# Altium PCB OBC-FPGA.PcbDoc (part 1 of 3)
Units mil, origin at the board's own origin, x right, y up, seen from the top; angles counter-clockwise.
Board outline 3775 x 3550 mil, 4 copper layers (Top Layer, Mid-Layer 2, Mid-Layer 3, Bottom Layer), stack 33.2 mil thick; 217 components, 167 nets, 957 pads, 748 vias.
Unrouted connection lines stored in the file: 2.
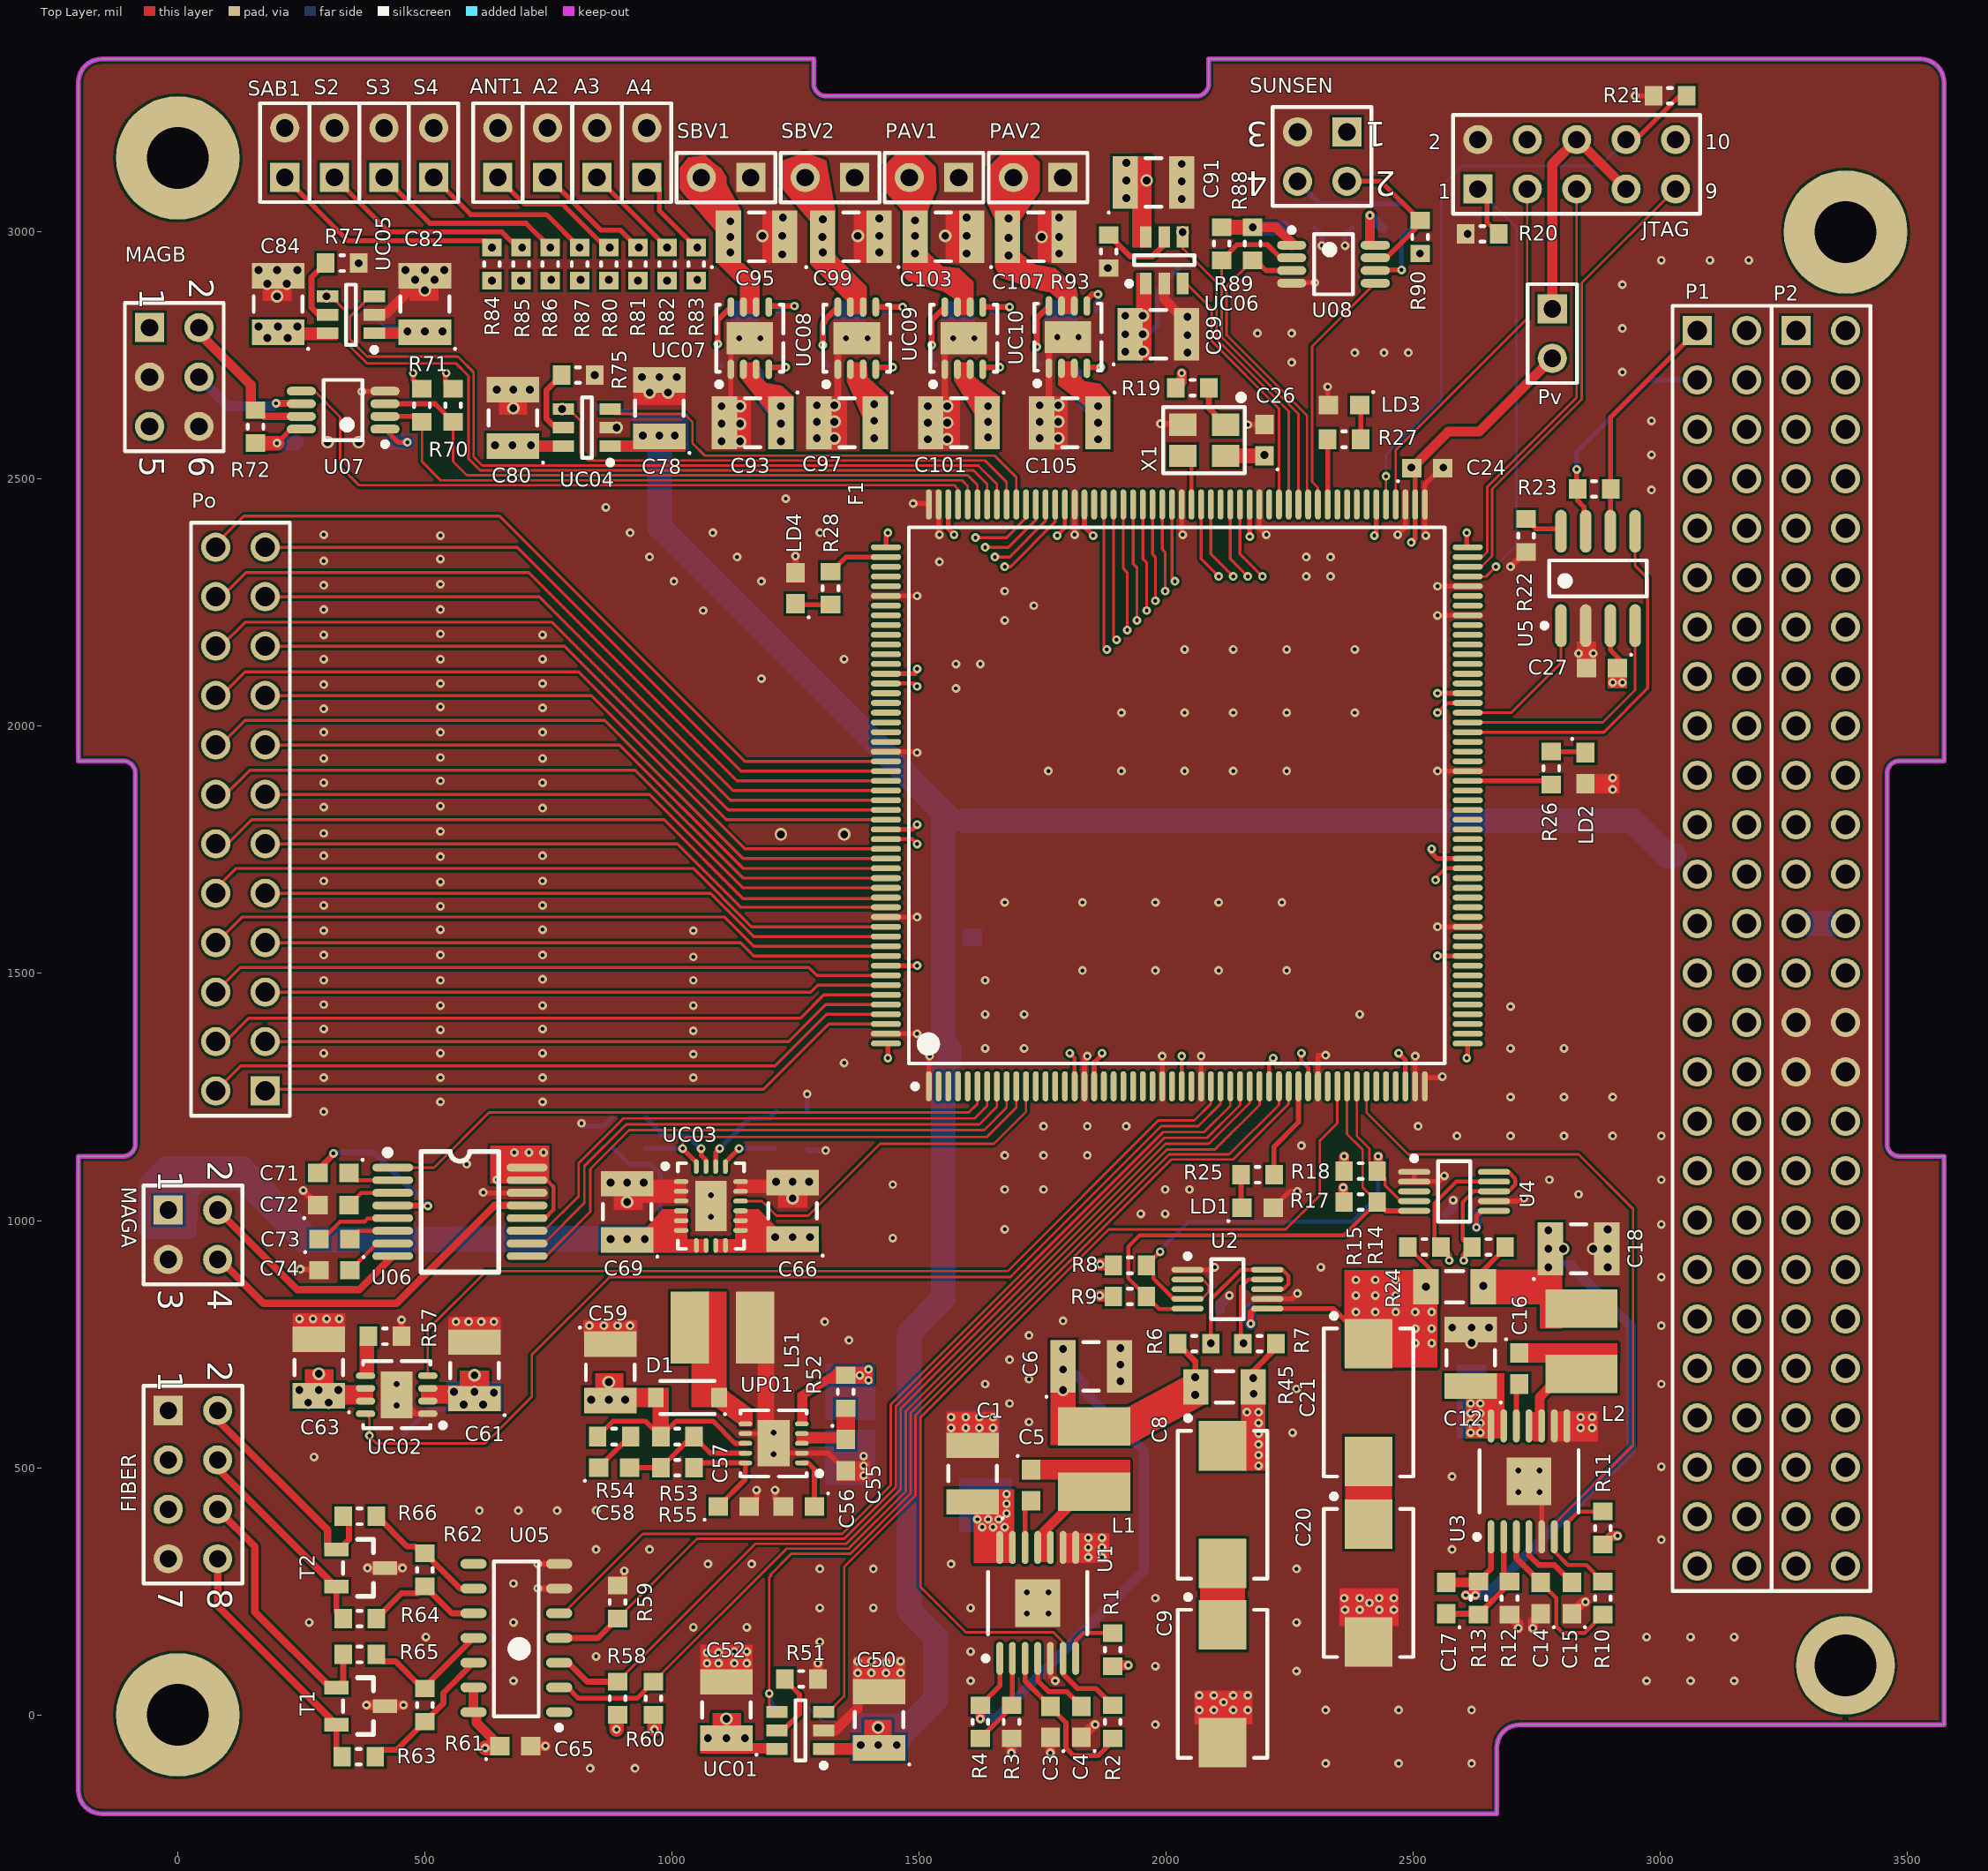
[diagram p0: Top Layer view]
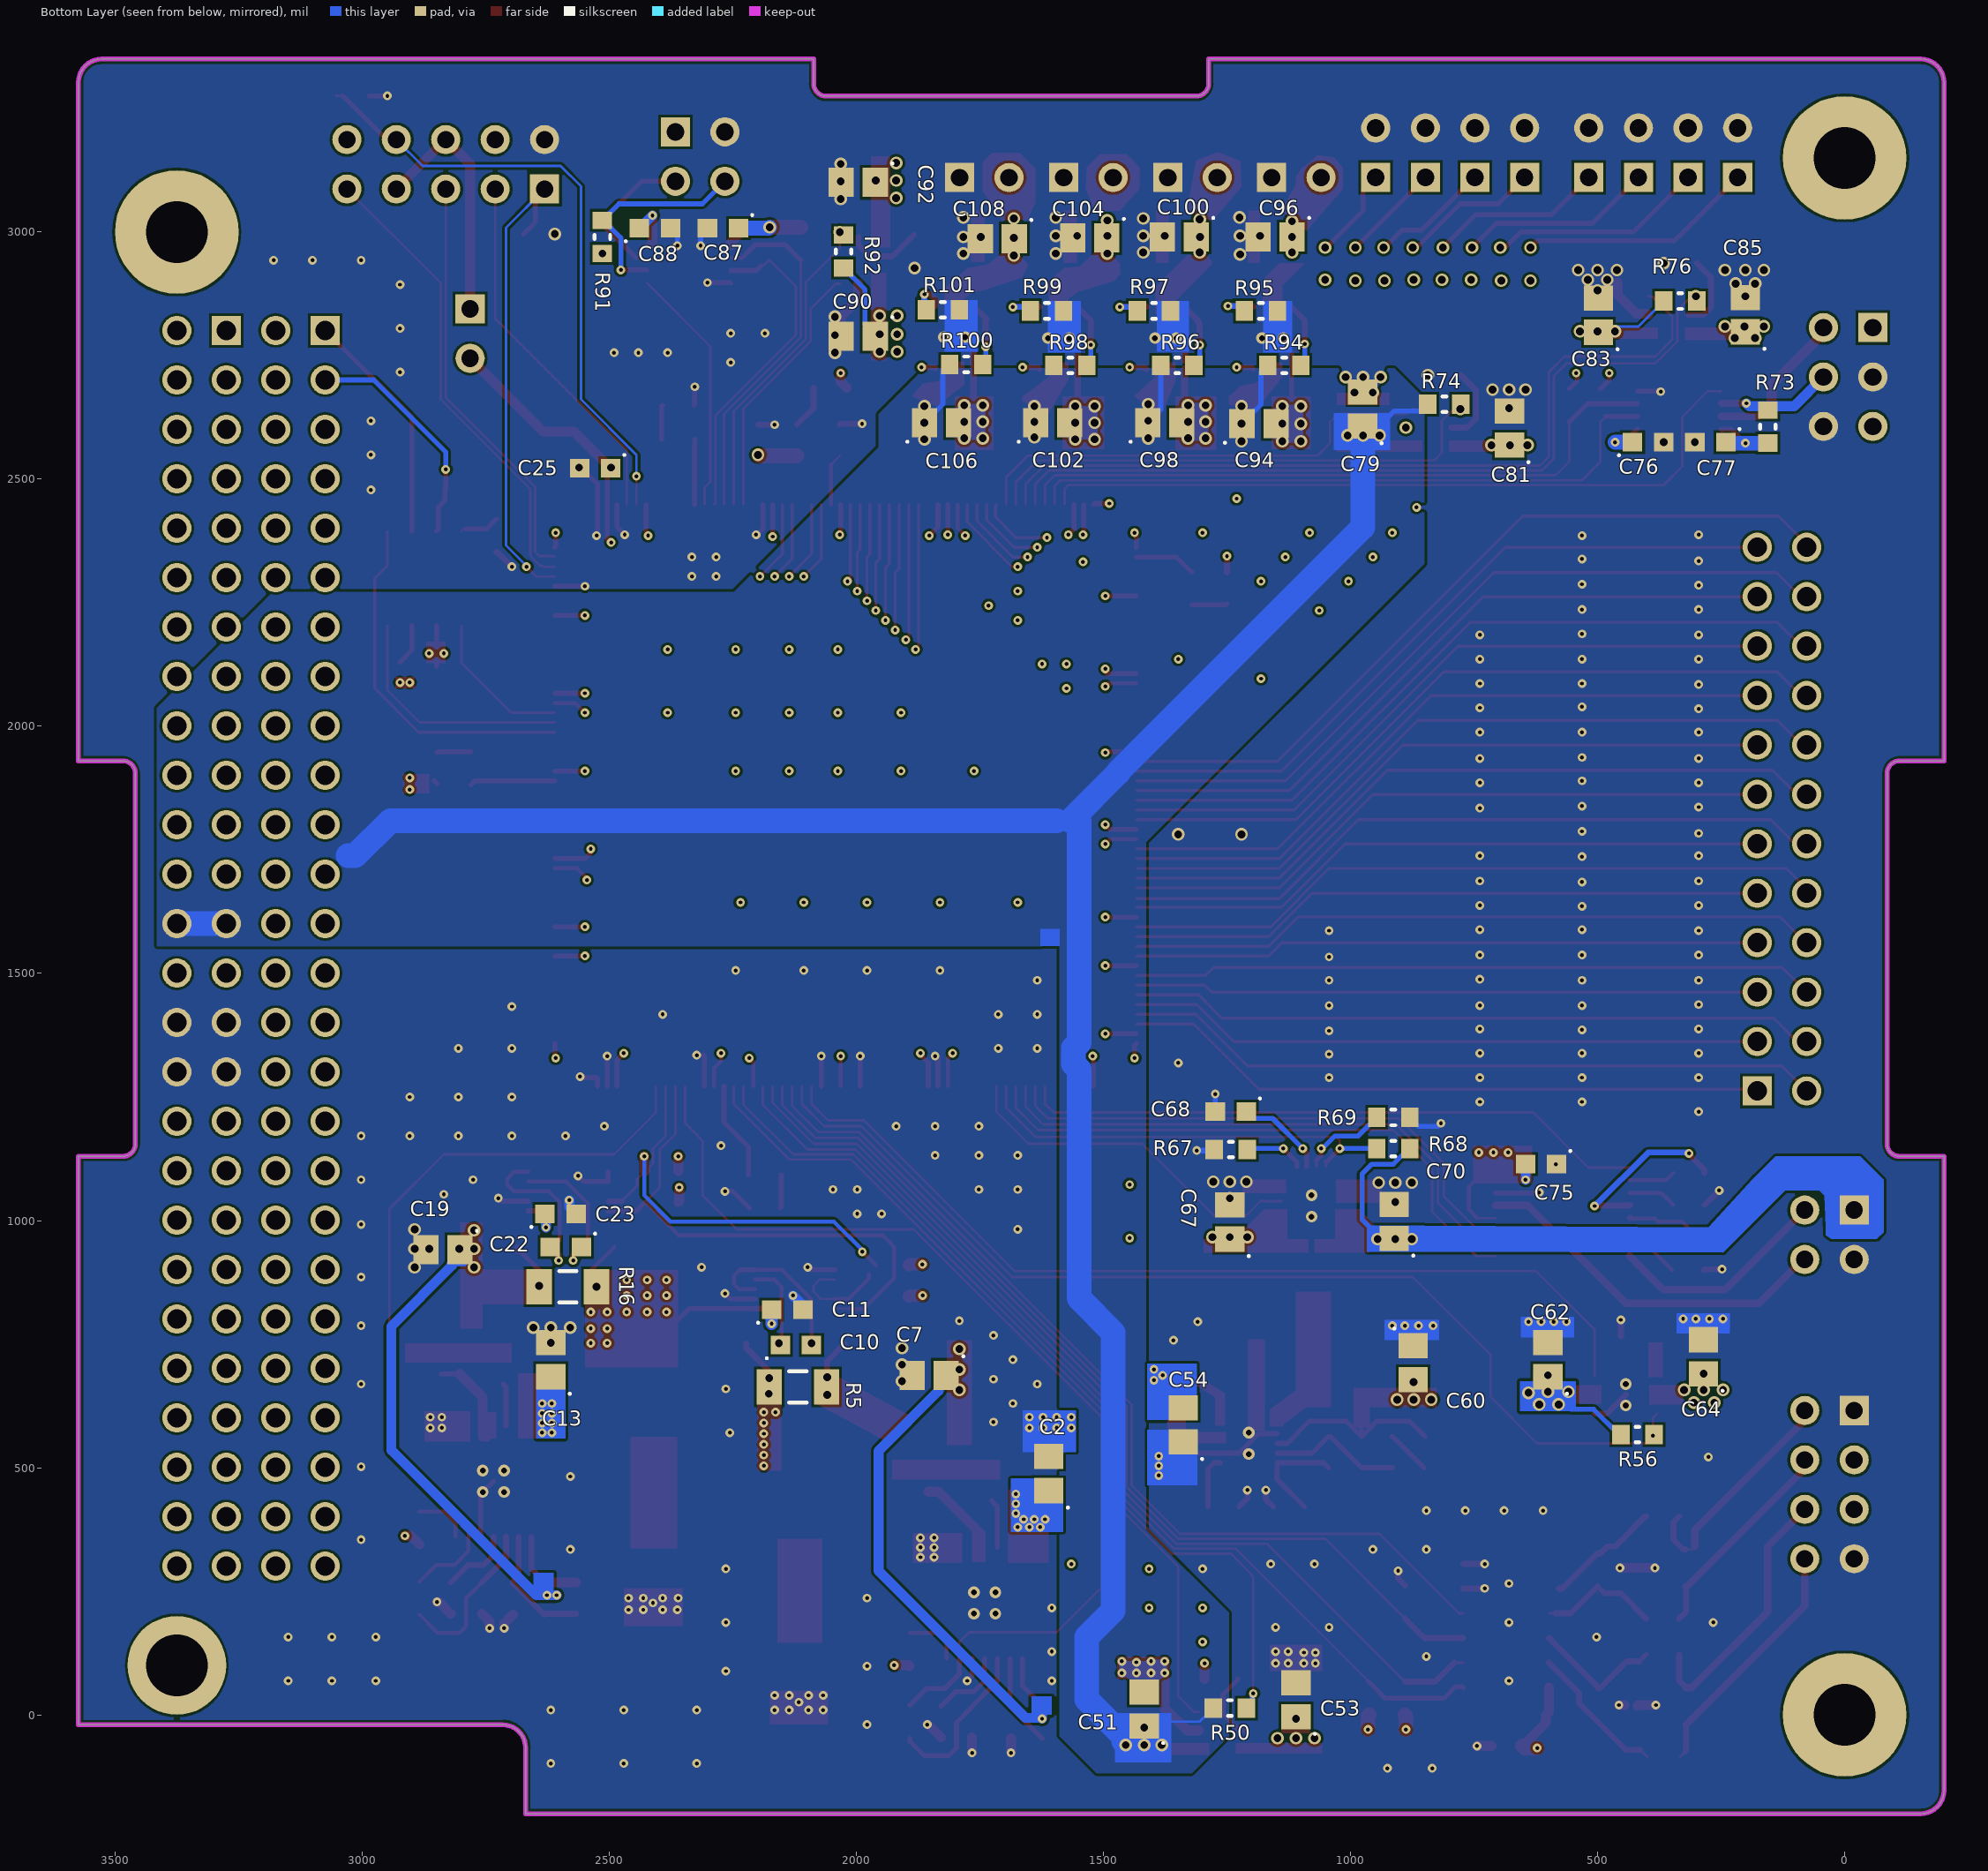
[diagram p1: Bottom Layer view, seen from below]
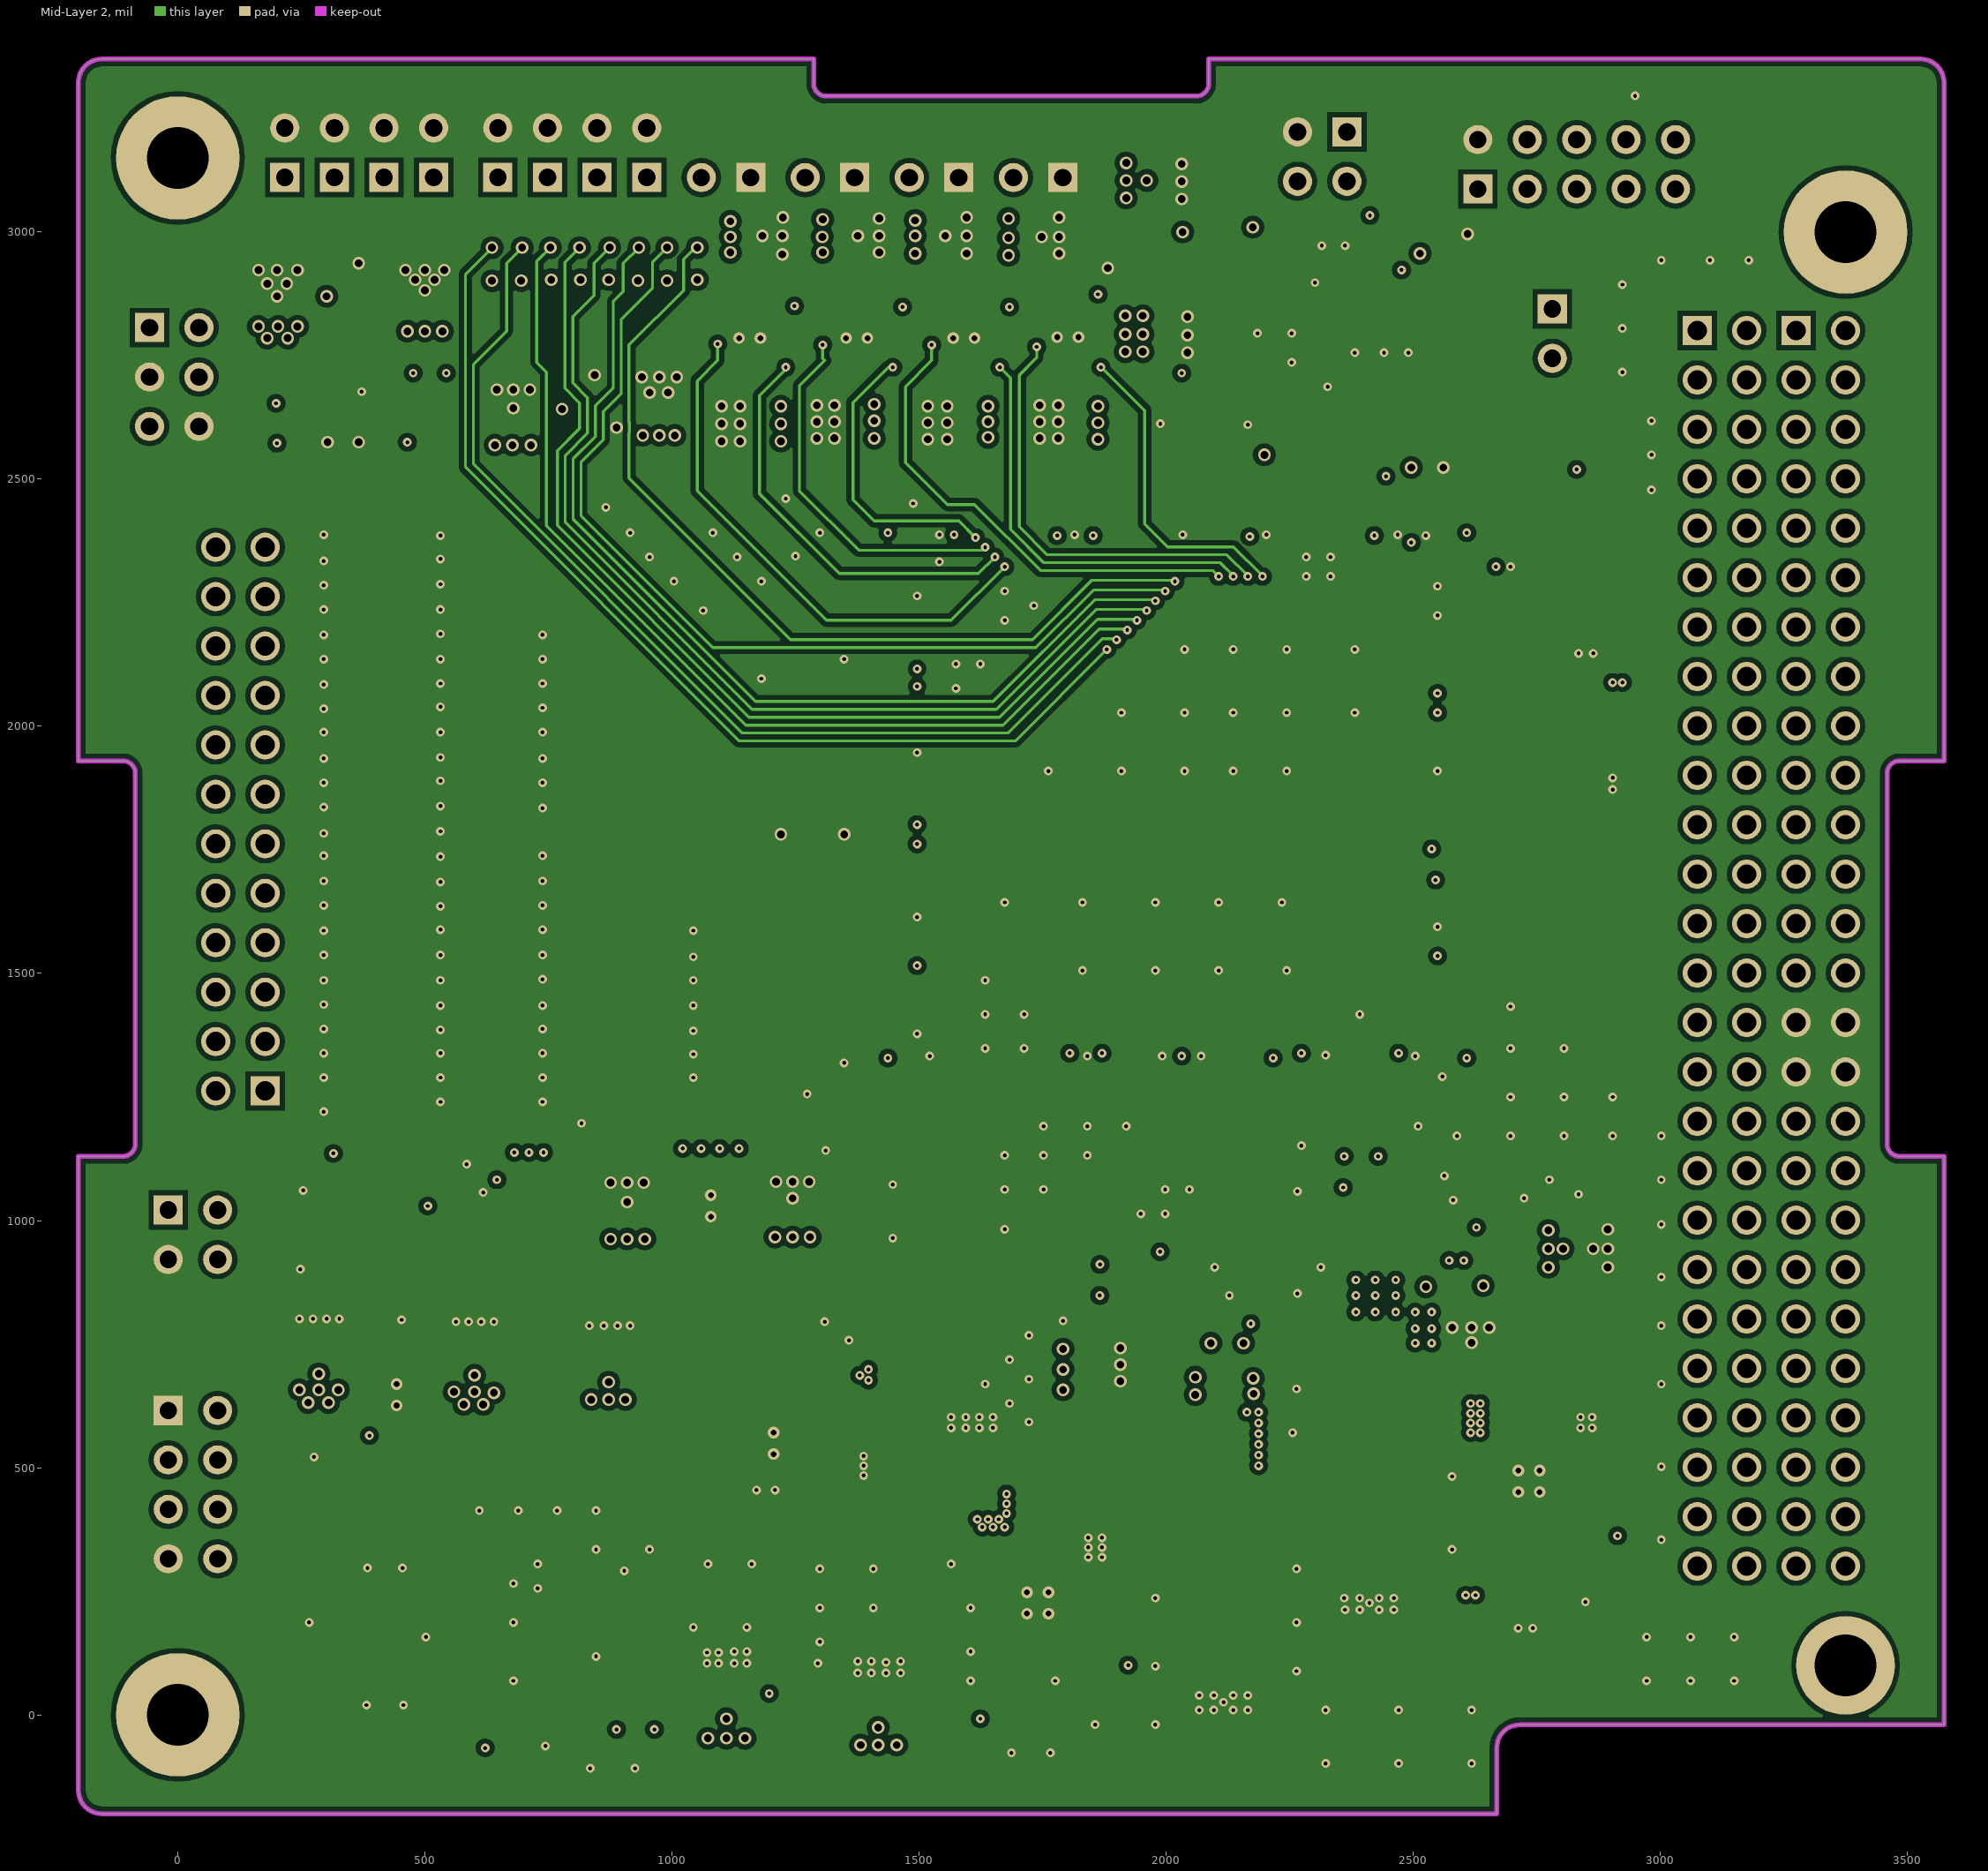
[diagram p2: Mid-Layer 2]
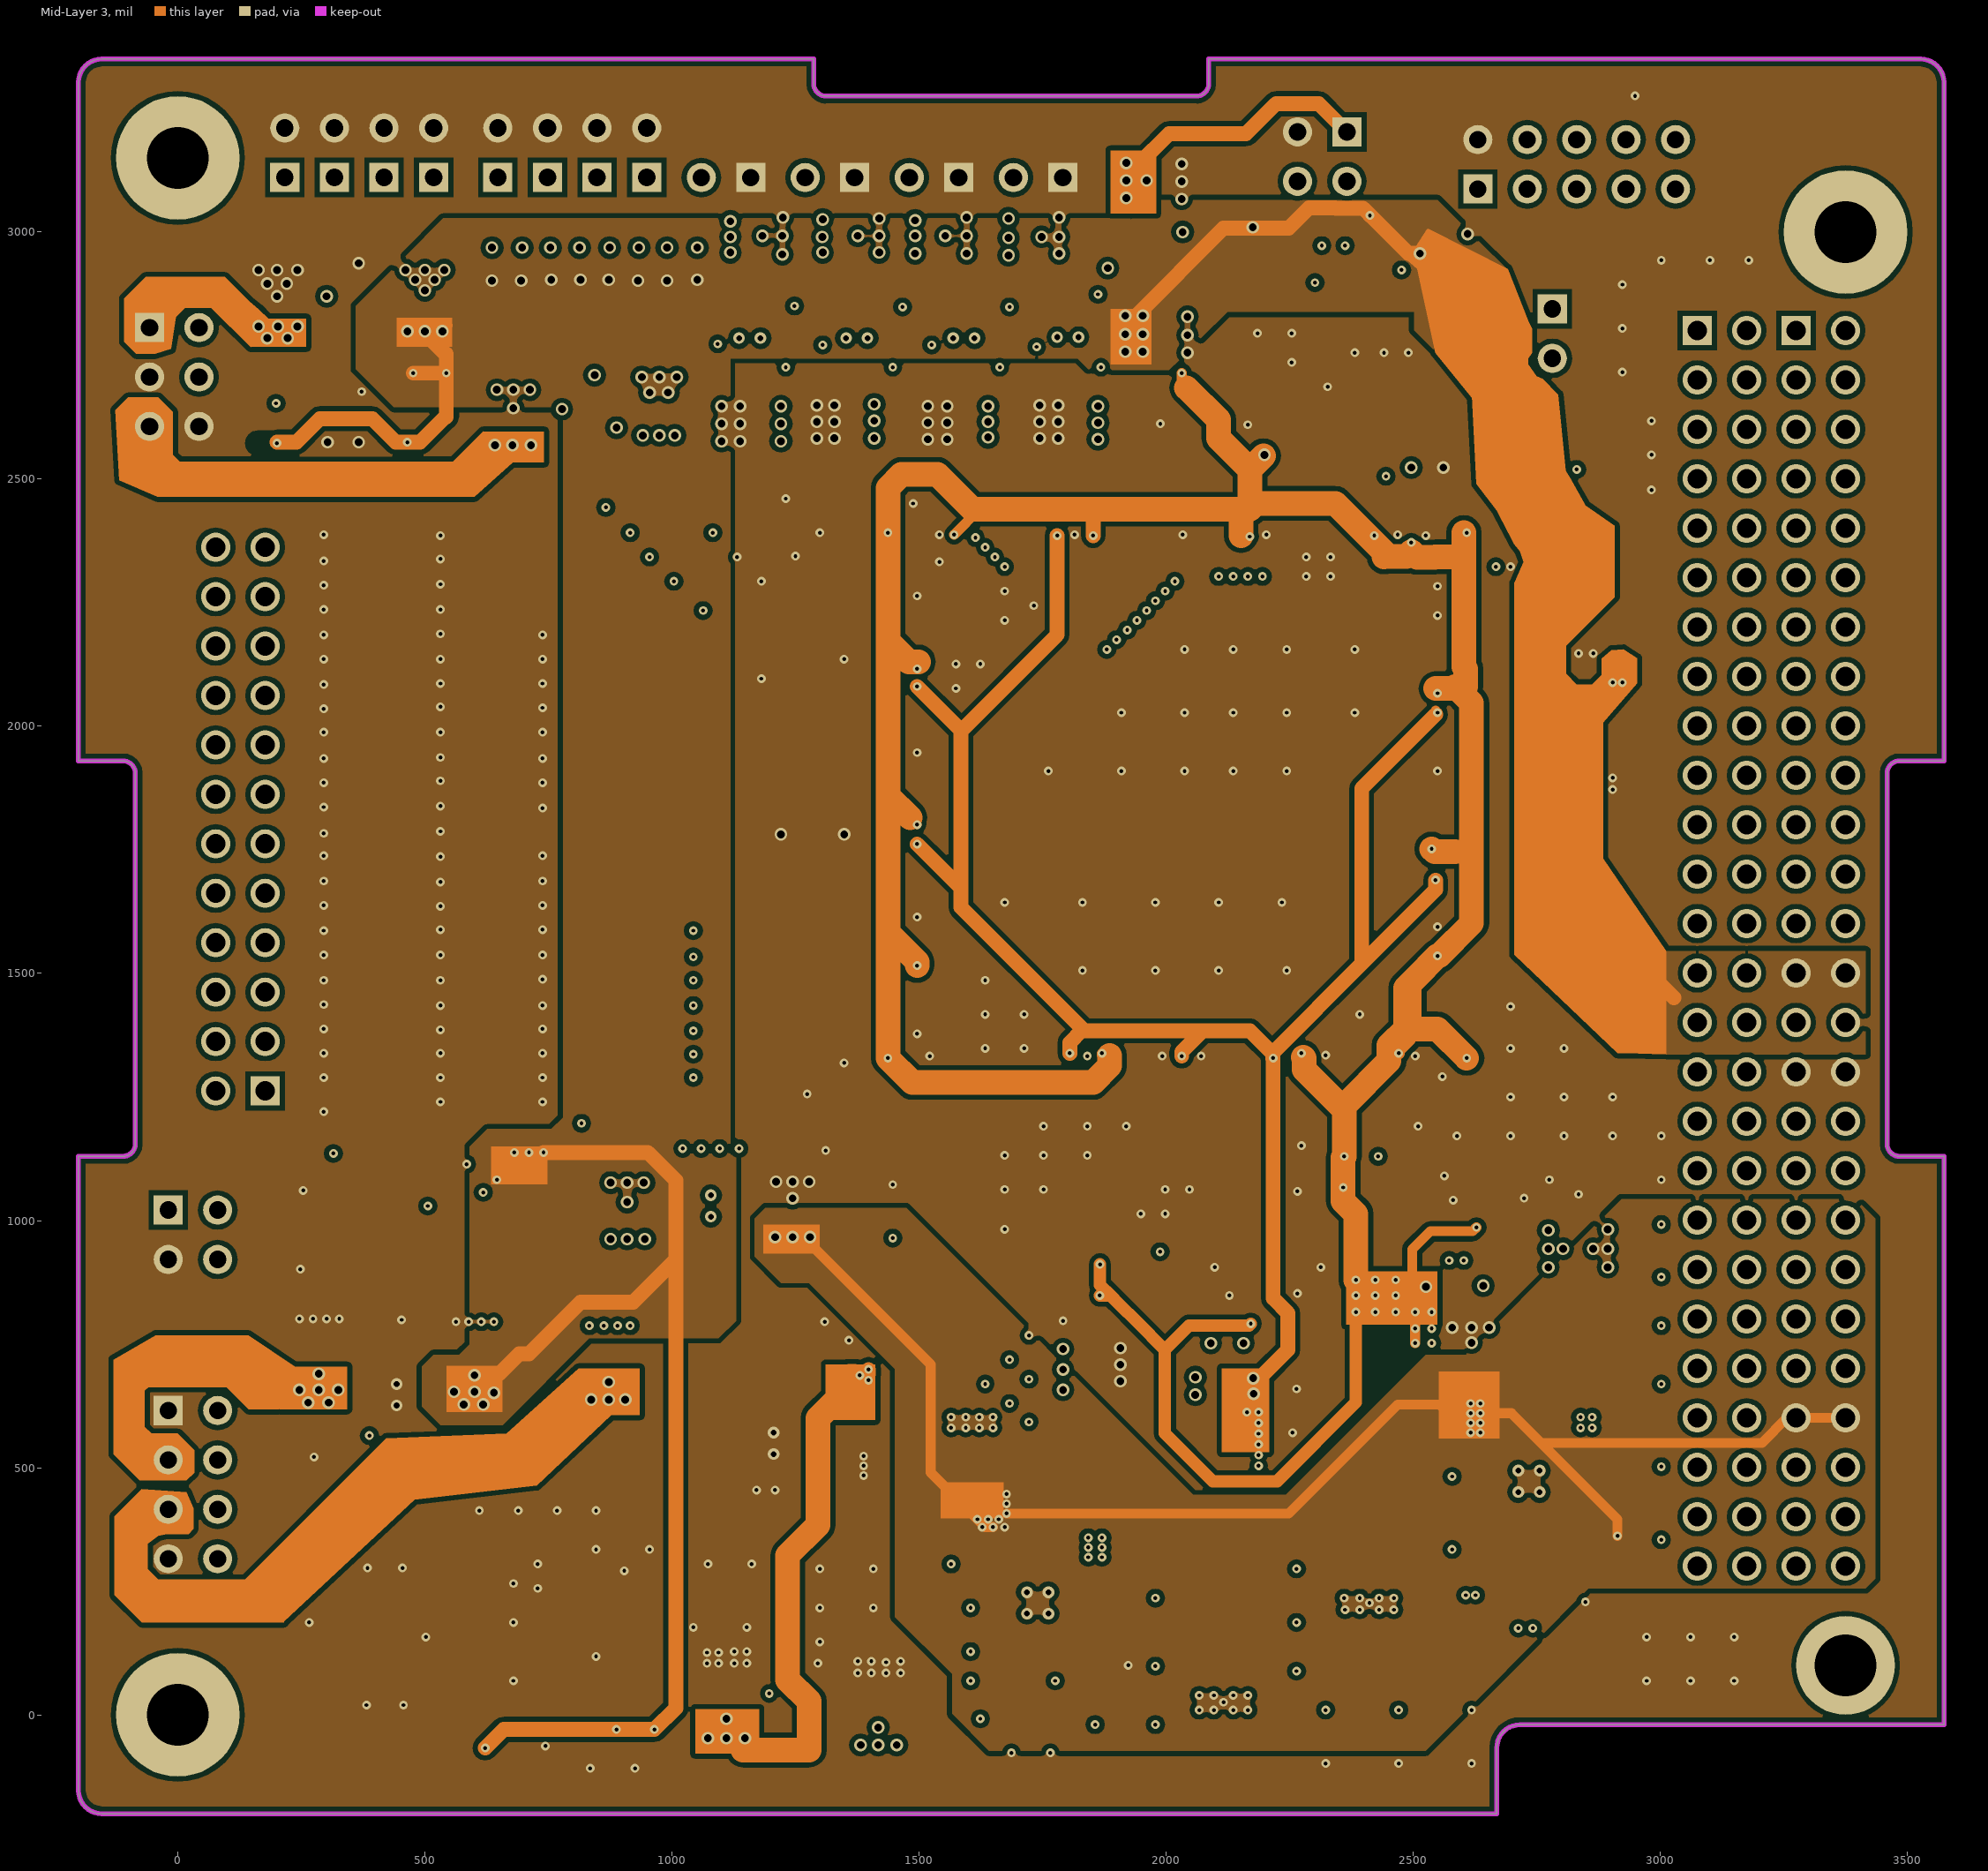
[diagram p3: Mid-Layer 3]

## Layer stack, top to bottom
Top Solder: solder mask 0.4, Solder Resist, Dk 3.5
Top Layer: signal copper 1.4
Dielectric1: core 12.6, FR-4, Dk 4.8
Mid-Layer 2: signal copper 1.4
Dielectric3: prepreg 5, FR-4, Dk 4.2
Mid-Layer 3: signal copper 1.4
Dielectric4: core 10, FR-4, Dk 4.2
Bottom Layer: signal copper 1.4
Bottom Solder: solder mask 0.4, Solder Resist, Dk 3.5

## Board outline
-201,-153 -201,1130 -111,1130 ccw(c-111,1155) -86,1155 -86,1905 ccw(c-111,1905) -111,1930 -201,1930 -201,3303 cw(c-154,3303) -154,3350 1287,3350 1287,3300 ccw(c1312,3300) 1312,3275 2061,3275 ccw(c2061,3300) 2086,3300 2086,3350 3527,3350 cw(c3527,3303) 3574,3303 3574,1930 3484,1930 ccw(c3484,1905) 3459,1905 3459,1155 ccw(c3484,1155) 3484,1130 3574,1130 3574,-20 2716,-20 ccw(c2716,-67) 2669,-67 2669,-200 -154,-200 cw(c-154,-153)

## Design rules (kind name [scope] priority, off if disabled: settings)
Clearance Clearance_MidLayer [OnLayer('Mid-Layer 1') OR OnLayer('Mid-Layer 2') OR OnLayer('Mid-Layer 3') OR OnLayer('Mid-Layer 4')] p1: gap=10 ignorepadtopadclearanceinfootprint=FALSE except(0: Arc-Hole Track-Hole SMDPad-Hole THPad-Hole Via-Hole Fill-Hole Poly-Hole Region-Hole Text-Hole)
Clearance [All] p2: gap=5 ignorepadtopadclearanceinfootprint=FALSE
ComponentClearance [All] p1 off: gap=5 collisioncheckmode=3 verticalgap=5 showdistances=FALSE
FabricationTestPointUsage TestPointUsage [All] p1: valid=0 allowmultiple=FALSE
FabricationTestpoint Testpoint [All] p1: side=3 testpointundercomponent=TRUE minsize=40 maxsize=100 preferedsize=60 minholesize=0 maxholesize=40 preferedholesize=32 testpointgrid=1 allowsidetop=TRUE allowsidebottom=TRUE usegrid=TRUE gridtolerance=0.01
HoleToHoleClearance [All] p1: gap=0 allowstackedmicrovias=TRUE
MinimumSolderMaskSliver [All] p1: minsoldermaskwidth=5
PlaneConnect [All] p1: planeconnectstyle=Direct reliefexpansion=20 reliefentries=4 reliefconductorwidth=20 reliefairgap=10
PolygonConnect [All] p1: connectstyle=Direct reliefconductorwidth=20 reliefentries=4 polygonreliefangle="90 Angle" airgapwidth=10
RoutingVias [All] p1: holewidth=16 width=28 viastyle="Through Hole" minholewidth=12 minwidth=24 maxholewidth=40 maxwidth=50
SMDNeckDown [All] p1: percent=50.000
SilkToSilkClearance [All] p1: silktosilkclearance=0
SilkToSolderMaskClearance SilkscreenOverComponentPads [IsPad] p1: minsilkscreentomaskgap=5 clearancetoexposedcopper=TRUE
SolderMaskExpansion [All] p1: expansion=4
Width [All] p1: maxlimit=50 minlimit=3.5 preferedwidth=5
22 further rules are at their usual default settings.

## Classes and differential pairs
component class OBC_My_FPGA: C1 C2 C3 C4 C5 C6 C7 C8 C9 C10 C11 C12 C13 C14 C15 C16 C17 C18 C19 C20 C21 C22 C23 C24 C25 C26 C27 F1 JTAG L1 L2 LD1 LD2 LD3 LD4 P1 P2 Po Pv R1 R2 R3 R4 R5 R6 R7 R8 R9 R10 R11 R12 R13 R14 R15 R16 R17 R18 R19 R20 R21 R22 R23 R24 R25 R26 R27 R28 R45 U1 U2 U3 U4 U5 X1
component class OBC_My_INTERFACE: 1 A2 A3 A4 Ant1 ANT2 Ant2 Ant3 ANT3 ANT4 Ant4 C50 C51 C52 C53 C54 C55 C56 C57 C58 C59 C60 C61 C62 C63 C64 C65 C66 C67 C68 C69 C70 C71 C72 C73 C74 C75 C76 C77 C78 C79 C80 C81 C82 C83 C84 C85 C87 C88 C89 C90 C91 C92 C93 C94 C95 C96 C97 C98 C99 C100 C101 C102 C103 C104 C105 C106 C107 C108 D1 FIBER L51 MAGA MAGB PAV1 PAV2 R50 R51 R52 R53 R54 R55 R56 R57 R58 R59 R60 R61 R62 R63 R64 R65 R66 R67 R68 R69 R70 R71 R72 R73 R74 R75 R76 R77 R80 R81 R82 R83 R84 R85 R86 R87 R88 R89 R90 R91 R92 R93 R94 R95 R96 R97 R98 R99 R100 R101 S2 S3 S4 Sab1 SAB1 Sab2 SAB2 Sab3 SAB3 Sab4 SAB4 SBV1 SBV2 SUNSEN T1 T2 U05 U06 U07 U08 UC01 UC02 UC03 UC04 UC05 UC06 UC07 UC08 UC09 UC10 UP01
